# Allegro board 8880F5-0825_4.brd (continued)
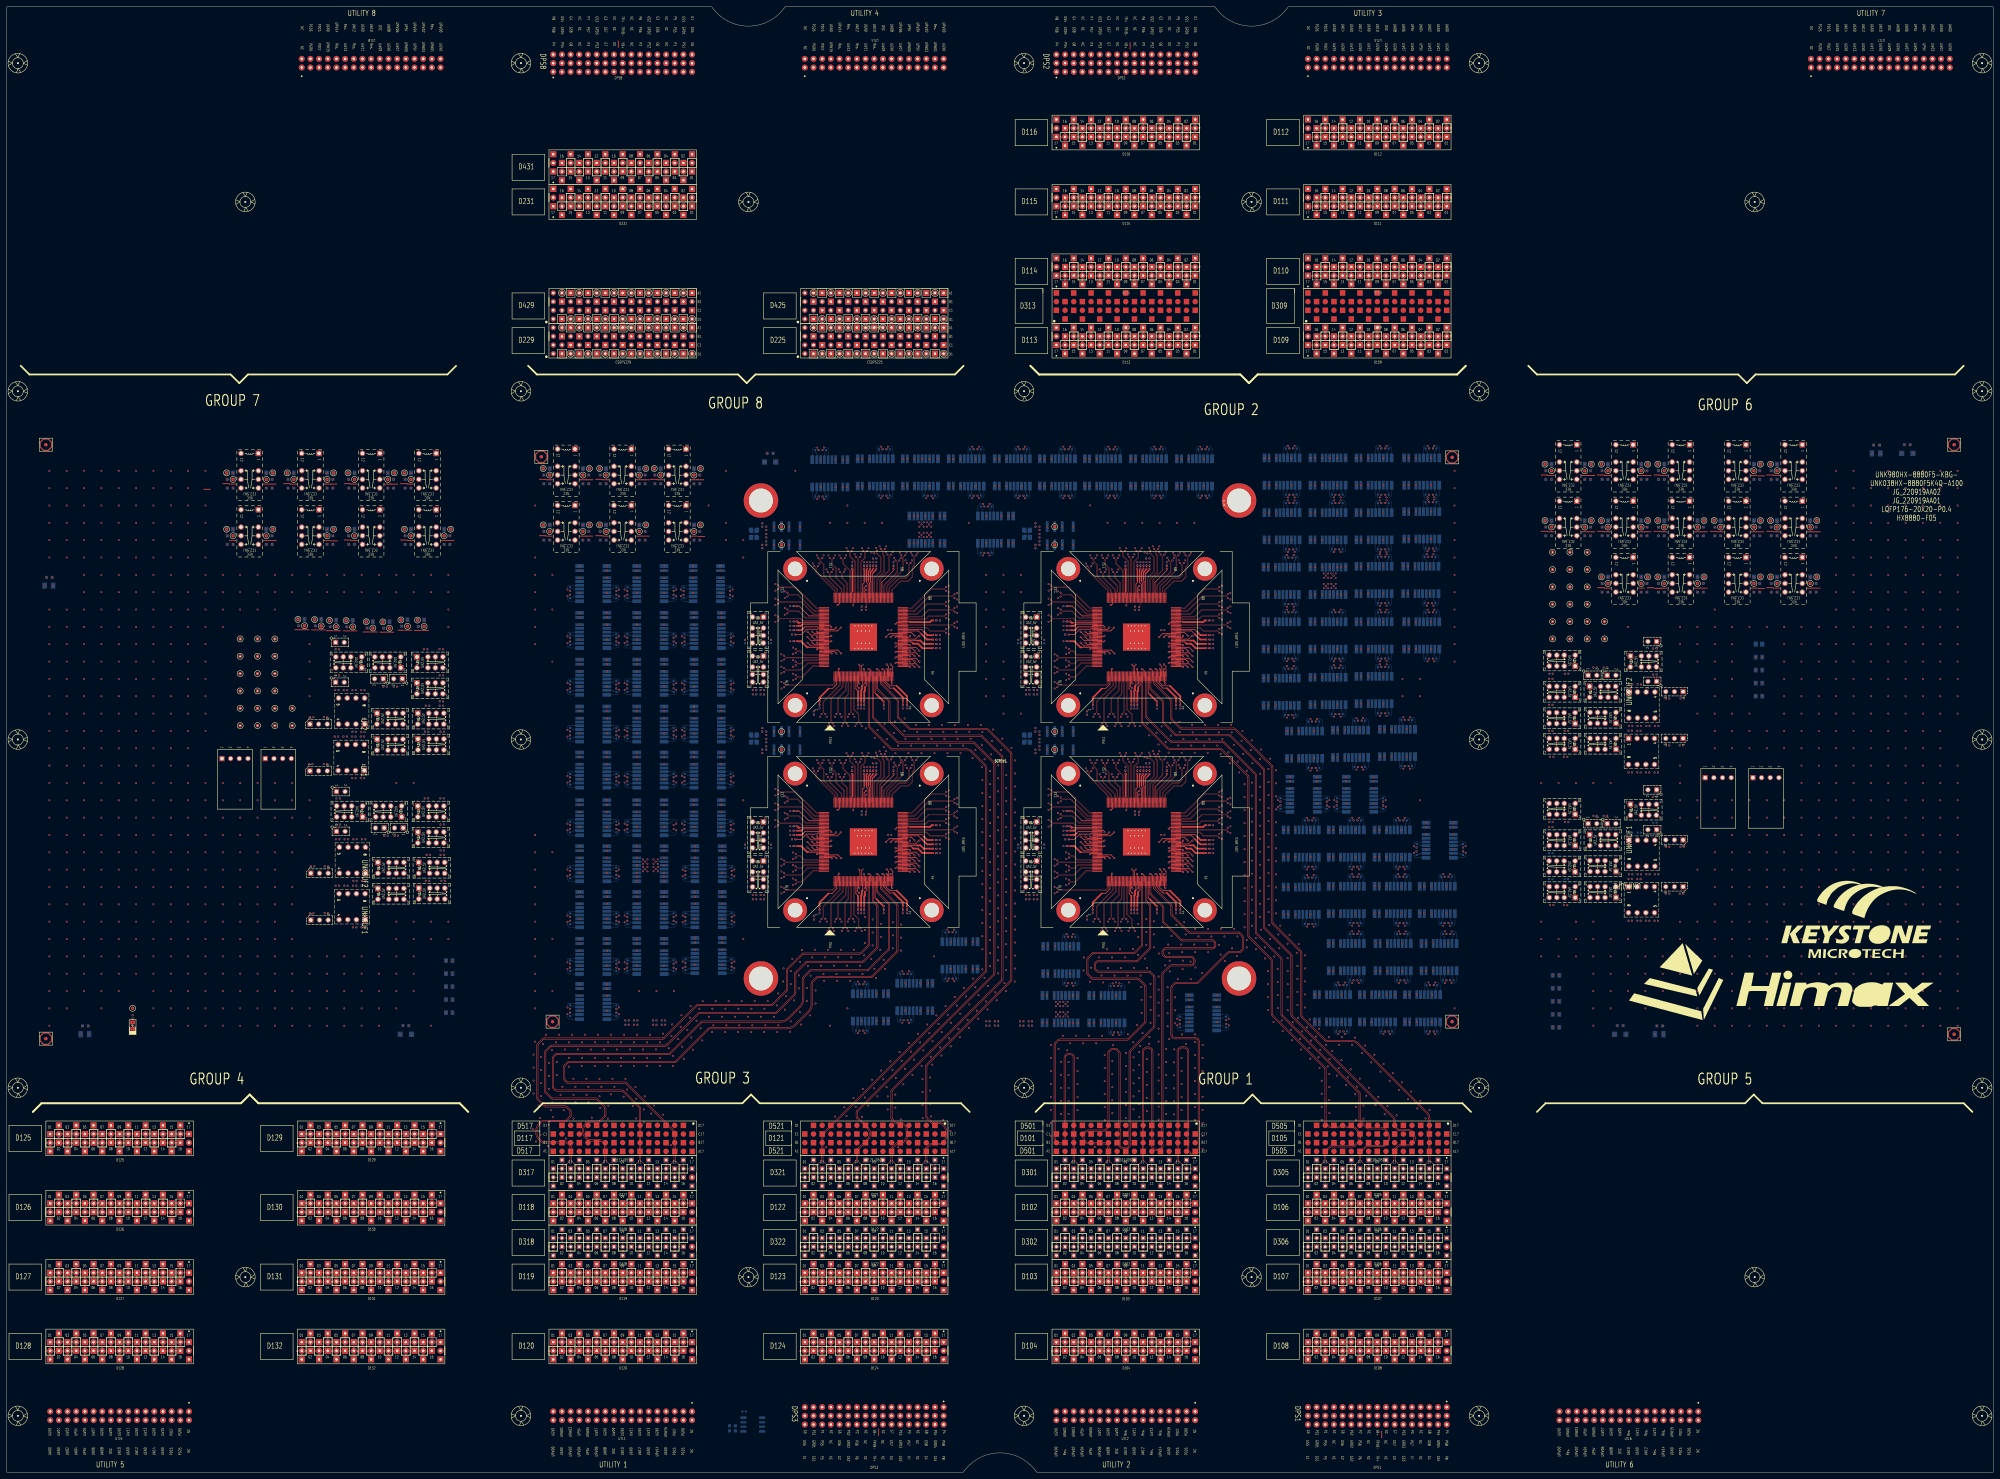
[diagram p0: board, top side]
## Routing (per net, layer and track width the routed paths; a pad name or vN(x,y) marks a point on that pad's centre or on a via; arc(x,y) is an arc through that point) (continued)
 259.08,38.91 ; 83.31,208.1 S3_I2C.4 ; S3_I2C.4 83.31,209.98 ; S3_I2C.4 82.37,209.04 ; S3_I2C.4 84.25,209.04 ; 198.12,367.49 D231.B2 ; D231.B2 198.12,369.11 ; D231.B2 198.93,368.3 ; D231.B2 197.31,368.3 ; 332.74,72.85 D102.A11 ; D102.A11 332.74,74.47 ; D102.A11 333.55,73.66 ; D102.A11 331.93,73.66 ; D106.A15 416.56,74.47 ; D106.A15 415.75,73.66 ; D106.A15 417.37,73.66 ; D106.A15 416.56,72.85 ; D112.A5 412.29,396.24 ; D112.A5 411.48,395.43 ; D112.A5 410.67,396.24 ; D112.A5 411.48,397.05 ; 245.57,55.88 D123.A6 ; D123.A6 246.38,55.07 ; D123.A6 246.38,56.69 ; D123.A6 247.19,55.88 ; CSDPS225.C13 243.84,331.01 ; CSDPS225.C13 243.03,330.2 ; CSDPS225.C13 243.84,329.39 ; CSDPS225.C13 244.65,330.2 ; D112.A9 401.32,397.05 ; D112.A9 401.32,395.43 ; D112.A9 400.51,396.24 ; D112.A9 402.13,396.24 ; 177.8,70.41 D318.B8 ; D318.B8 177.8,71.83 ; D318.B8 177.09,71.12 ; D318.B8 178.51,71.12 ; 408.13,388.62 D112.B6 ; D112.B6 408.94,389.43 ; D112.B6 408.94,387.81 ; D112.B6 409.75,388.62 ; D109.B7 407.21,330.2 ; D109.B7 406.4,329.39 ; D109.B7 405.59,330.2 ; D109.B7 406.4,331.01 ; D107.B6 394.51,60.96 ; D107.B6 393.7,60.15 ; D107.B6 393.7,61.77 ; D107.B6 392.89,60.96 ; 383.54,65.33 D306.A2 ; D306.A2 382.83,66.04 ; D306.A2 383.54,66.75 ; D306.A2 384.25,66.04 ; D107.B5 391.16,59.23 ; D107.B5 391.97,58.42 ; D107.B5 390.35,58.42 ; D107.B5 391.16,57.61 ; D130.B13 116.84,79.55 ; D130.B13 116.03,78.74 ; D130.B13 116.84,77.93 ; D130.B13 117.65,78.74 ; 414.02,75.39 D106.A14 ; D106.A14 413.21,76.2 ; D106.A14 414.02,77.01 ; D106.A14 414.83,76.2 ; D115.B5 338.63,370.84 ; D115.B5 337.82,371.65 ; D115.B5 337.82,370.03 ; D115.B5 337.01,370.84 ; D109.A8 404.67,332.74 ; D109.A8 403.86,331.93 ; D109.A8 403.86,333.55 ; D109.A8 403.05,332.74 ; D302.B13 337.82,69.29 ; D302.B13 337.82,67.87 ; D302.B13 337.11,68.58 ; D302.B13 338.53,68.58 ; D118.B4 168.45,81.28 ; D118.B4 167.64,80.47 ; D118.B4 166.83,81.28 ; D118.B4 167.64,82.09 ; 27.13,78.74 D126.B7 ; D126.B7 27.94,77.93 ; D126.B7 28.75,78.74 ; D126.B7 27.94,79.55 ; 29.67,96.52 D125.A8 ; D125.A8 31.29,96.52 ; D125.A8 30.48,95.71 ; D125.A8 30.48,97.33 ; 401.32,62.79 D306.A9 ; D306.A9 402.03,63.5 ; D306.A9 400.61,63.5 ; D306.A9 401.32,64.21 ; 396.24,354.79 D110.A11 ; D110.A11 395.43,355.6 ; D110.A11 397.05,355.6 ; D110.A11 396.24,356.41 ; D112.B7 406.4,391.97 ; D112.B7 406.4,390.35 ; D112.B7 405.59,391.16 ; D112.B7 407.21,391.16 ; SITE1.G5 252.33,241.81 ; SITE1.G5 251.85,241.33 ; SITE1.G5 252.81,241.33 ; SITE1.G5 252.33,240.85 ; 255.73,60.96 D123.B10 ; D123.B10 256.54,60.15 ; D123.B10 256.54,61.77 ; D123.B10 257.35,60.96 ; SITE2.G7 328.81,247.93 ; SITE2.G7 328.33,248.41 ; SITE2.G7 328.33,247.45 ; SITE2.G7 327.85,247.93 ; D109.A3 416.56,336.09 ; D109.A3 416.56,334.47 ; D109.A3 415.75,335.28 ; D109.A3 417.37,335.28 ; 177.09,86.36 D317.A8 ; D317.A8 177.8,87.07 ; D317.A8 177.8,85.65 ; D317.A8 178.51,86.36 ; 250.75,91.44 D321.B8 ; D321.B8 252.17,91.44 ; D321.B8 251.46,92.15 ; D321.B8 251.46,90.73 ; D431.B17 160.02,381.81 ; D431.B17 159.21,381 ; D431.B17 160.83,381 ; D431.B17 160.02,380.19 ; D129.A2 89.71,96.52 ; D129.A2 88.9,95.71 ; D129.A2 88.09,96.52 ; D129.A2 88.9,97.33 ; D301.B13 338.53,88.9 ; D301.B13 337.82,88.19 ; D301.B13 337.82,89.61 ; D301.B13 337.11,88.9 ; D116.A2 346.25,393.7 ; D116.A2 345.44,394.51 ; D116.A2 345.44,392.89 ; D116.A2 344.63,393.7 ; 383.54,34.75 D108.A2 ; D108.A2 384.35,35.56 ; D108.A2 383.54,36.37 ; D108.A2 382.73,35.56 ; D111.B15 386.08,371.65 ; D111.B15 386.08,370.03 ; D111.B15 385.27,370.84 ; D111.B15 386.89,370.84 ; D431.A8 182.88,384.35 ; D431.A8 183.69,383.54 ; D431.A8 182.88,382.73 ; D431.A8 182.07,383.54 ; D321.B14 266.7,92.15 ; D321.B14 265.99,91.44 ; D321.B14 266.7,90.73 ; D321.B14 267.41,91.44 ; 50.8,34.75 D128.A16 ; D128.A16 51.61,35.56 ; D128.A16 49.99,35.56 ; D128.A16 50.8,36.37 ; 314.96,347.17 D114.B14 ; D114.B14 315.77,347.98 ; D114.B14 314.96,348.79 ; D114.B14 314.15,347.98 ; 331.43,185.95 SITE4.G19 ; SITE4.G19 331.43,186.91 ; SITE4.G19 330.95,186.43 ; SITE4.G19 331.91,186.43 ; D125.B6 26.21,101.6 ; D125.B6 25.4,102.41 ; D125.B6 24.59,101.6 ; D125.B6 25.4,100.79 ; 38.1,77.93 D126.B11 ; D126.B11 38.1,79.55 ; D126.B11 37.29,78.74 ; D126.B11 38.91,78.74 ; 182.88,34.75 D120.A10 ; D120.A10 182.88,36.37 ; D120.A10 183.69,35.56 ; D120.A10 182.07,35.56 ; D103.B13 338.63,58.42 ; D103.B13 337.82,57.61 ; D103.B13 337.01,58.42 ; D103.B13 337.82,59.23 ; D124.B15 269.24,38.91 ; D124.B15 268.43,38.1 ; D124.B15 270.05,38.1 ; D124.B15 269.24,37.29 ; 266.7,65.33 D322.A14 ; D322.A14 266.7,66.75 ; D322.A14 265.99,66.04 ; D322.A14 267.41,66.04 ; 329.39,388.62 D116.B8 ; D116.B8 330.2,389.43 ; D116.B8 330.2,387.81 ; D116.B8 331.01,388.62 ; 309.07,368.3 D115.B16 ; D115.B16 309.88,367.49 ; D115.B16 309.88,369.11 ; D115.B16 310.69,368.3 ; 309.88,70.41 D302.B2 ; D302.B2 309.17,71.12 ; D302.B2 309.88,71.83 ; D302.B2 310.59,71.12 ; 12.7,52.53 D127.A1 ; D127.A1 11.89,53.34 ; D127.A1 13.51,53.34 ; D127.A1 12.7,54.15 ; D119.B1 160.83,58.42 ; D119.B1 160.02,57.61 ; D119.B1 159.21,58.42 ; D119.B1 160.02,59.23 ; 332.74,32.21 D104.A11 ; D104.A11 331.93,33.02 ; D104.A11 333.55,33.02 ; D104.A11 332.74,33.83 ; D115.B15 312.42,371.65 ; D115.B15 312.42,370.03 ; D115.B15 311.61,370.84 ; D115.B15 313.23,370.84 ; 340.36,60.15 D103.B14 ; D103.B14 340.36,61.77 ; D103.B14 341.17,60.96 ; D103.B14 339.55,60.96 ; 248.11,78.74 D122.B7 ; D122.B7 248.92,79.55 ; D122.B7 249.73,78.74 ; D122.B7 248.92,77.93 ; 243.84,88.19 D321.B5 ; D321.B5 244.55,88.9 ; D321.B5 243.84,89.61 ; D321.B5 243.13,88.9 ; 320.04,39.83 D104.B6 ; D104.B6 320.85,40.64 ; D104.B6 320.04,41.45 ; D104.B6 319.23,40.64 ; 101.6,98.25 D129.B7 ; D129.B7 101.6,99.87 ; D129.B7 102.41,99.06 ; D129.B7 100.79,99.06 ; D318.A3 165.81,63.5 ; D318.A3 165.1,62.79 ; D318.A3 164.39,63.5 ; D318.A3 165.1,64.21 ; 271.78,342.09 CSDPS425.B2 ; CSDPS425.B2 271.78,343.71 ; CSDPS425.B2 272.59,342.9 ; CSDPS425.B2 270.97,342.9 ; D116.A13 318.31,396.24 ; D116.A13 317.5,397.05 ; D116.A13 317.5,395.43 ; D116.A13 316.69,396.24 ; D131.B7 102.41,58.42 ; D131.B7 100.79,58.42 ; D131.B7 101.6,59.23 ; D131.B7 101.6,57.61 ; SITE1.G16 253.11,242.83 ; SITE1.G16 252.63,242.35 ; SITE1.G16 252.15,242.83 ; SITE1.G16 252.63,243.31 ; 382.83,86.36 D305.A2 ; D305.A2 383.54,87.07 ; D305.A2 383.54,85.65 ; D305.A2 384.25,86.36 ; D116.B6 335.28,389.43 ; D116.B6 335.28,387.81 ; D116.B6 334.47,388.62 ; D116.B6 336.09,388.62 ; 311.71,88.9 D301.B3 ; D301.B3 312.42,89.61 ; D301.B3 313.13,88.9 ; D301.B3 312.42,88.19 ; 269.24,62.79 D322.A15 ; D322.A15 268.53,63.5 ; D322.A15 269.95,63.5 ; D322.A15 269.24,64.21 ; D321.B6 246.38,92.15 ; D321.B6 247.09,91.44 ; D321.B6 246.38,90.73 ; D321.B6 245.67,91.44 ; CSDPS229.B2 198.93,332.74 ; CSDPS229.B2 198.12,333.55 ; CSDPS229.B2 198.12,331.93 ; CSDPS229.B2 197.31,332.74 ; 119.38,60.15 D131.B14 ; D131.B14 120.19,60.96 ; D131.B14 119.38,61.77 ; D131.B14 118.57,60.96 ; D106.B4 389.43,81.28 ; D106.B4 388.62,80.47 ; D106.B4 387.81,81.28 ; D106.B4 388.62,82.09 ; SITE2.G1 328.33,241.81 ; SITE2.G1 327.85,241.33 ; SITE2.G1 328.33,240.85 ; SITE2.G1 328.81,241.33 ; 328.55,182.83 SITE4.G13 ; SITE4.G13 329.03,182.35 ; SITE4.G13 329.51,182.83 ; SITE4.G13 329.03,183.31 ; 88.09,35.56 D132.A2 ; D132.A2 89.71,35.56 ; D132.A2 88.9,36.37 ; D132.A2 88.9,34.75 ; SITE1.G10 251.33,248.41 ; SITE1.G10 251.33,247.45 ; SITE1.G10 251.81,247.93 ; SITE1.G10 250.85,247.93 ; 100.79,38.1 D132.B7 ; D132.B7 101.6,38.91 ; D132.B7 102.41,38.1 ; D132.B7 101.6,37.29 ; 327.66,375.11 D115.A9 ; D115.A9 327.66,376.73 ; D115.A9 326.85,375.92 ; D115.A9 328.47,375.92 ; D114.A7 333.55,355.6 ; D114.A7 332.74,354.79 ; D114.A7 331.93,355.6 ; D114.A7 332.74,356.41 ; D231.A16 162.56,374.19 ; D231.A16 162.56,372.57 ; D231.A16 161.75,373.38 ; D231.A16 163.37,373.38 ; D104.A9 328.47,33.02 ; D104.A9 327.66,32.21 ; D104.A9 326.85,33.02 ; D104.A9 327.66,33.83 ; D119.B16 198.12,61.77 ; D119.B16 197.31,60.96 ; D119.B16 198.12,60.15 ; D119.B16 198.93,60.96 ; D116.B5 338.63,391.16 ; D116.B5 337.01,391.16 ; D116.B5 337.82,391.97 ; D116.B5 337.82,390.35 ; 27.94,93.17 D125.A7 ; D125.A7 27.13,93.98 ; D125.A7 28.75,93.98 ; D125.A7 27.94,94.79 ; D103.B15 343.71,58.42 ; D103.B15 342.9,57.61 ; D103.B15 342.09,58.42 ; D103.B15 342.9,59.23 ; 316.79,83.82 D301.A5 ; D301.A5 317.5,83.11 ; D301.A5 318.21,83.82 ; D301.A5 317.5,84.53 ; D104.B13 338.63,38.1 ; D104.B13 337.82,38.91 ; D104.B13 337.82,37.29 ; D104.B13 337.01,38.1 ; D318.A4 168.35,66.04 ; D318.A4 167.64,66.75 ; D318.A4 166.93,66.04 ; D318.A4 167.64,65.33 ; 324.41,86.36 D301.A8 ; D301.A8 325.83,86.36 ; D301.A8 325.12,85.65 ; D301.A8 325.12,87.07 ; D109.A13 391.97,335.28 ; D109.A13 391.16,336.09 ; D109.A13 390.35,335.28 ; D109.A13 391.16,334.47 ; D122.B12 262.43,81.28 ; D122.B12 260.81,81.28 ; D122.B12 261.62,80.47 ; D122.B12 261.62,82.09 ; 237.95,33.02 D124.A3 ; D124.A3 238.76,33.83 ; D124.A3 239.57,33.02 ; D124.A3 238.76,32.21 ; 329.39,40.64 D104.B10 ; D104.B10 330.2,41.45 ; D104.B10 331.01,40.64 ; D104.B10 330.2,39.83 ; D106.A8 398.78,77.01 ; D106.A8 397.97,76.2 ; D106.A8 399.59,76.2 ; D106.A8 398.78,75.39 ; 337.01,73.66 D102.A13 ; D102.A13 337.82,74.47 ; D102.A13 337.82,72.85 ; D102.A13 338.63,73.66 ; D125.A3 17.78,94.79 ; D125.A3 18.59,93.98 ; D125.A3 16.97,93.98 ; D125.A3 17.78,93.17 ; D302.A10 330.2,66.75 ; D302.A10 329.49,66.04 ; D302.A10 330.91,66.04 ; D302.A10 330.2,65.33 ; D110.B1 421.64,351.33 ; D110.B1 420.83,350.52 ; D110.B1 422.45,350.52 ; D110.B1 421.64,349.71 ; 38.1,98.25 D125.B11 ; D125.B11 38.1,99.87 ; D125.B11 37.29,99.06 ; D125.B11 38.91,99.06 ; D125.A13 43.18,94.79 ; D125.A13 42.37,93.98 ; D125.A13 43.99,93.98 ; D125.A13 43.18,93.17 ; D118.B6 173.53,81.28 ; D118.B6 172.72,80.47 ; D118.B6 171.91,81.28 ; D118.B6 172.72,82.09 ; D120.A15 195.58,33.83 ; D120.A15 194.77,33.02 ; D120.A15 196.39,33.02 ; D120.A15 195.58,32.21 ; 91.44,77.93 D130.B3 ; D130.B3 91.44,79.55 ; D130.B3 92.25,78.74 ; D130.B3 90.63,78.74 ; 403.05,55.88 D107.A10 ; D107.A10 403.86,56.69 ; D107.A10 403.86,55.07 ; D107.A10 404.67,55.88 ; 321.77,73.66 D102.A7 ; D102.A7 322.58,72.85 ; D102.A7 323.39,73.66 ; D102.A7 322.58,74.47 ; D302.B7 323.29,68.58 ; D302.B7 322.58,67.87 ; D302.B7 322.58,69.29 ; D302.B7 321.87,68.58 ; D125.B8 31.29,101.6 ; D125.B8 30.48,100.79 ; D125.B8 30.48,102.41 ; D125.B8 29.67,101.6 ; 184.61,53.34 D119.A11 ; D119.A11 185.42,52.53 ; D119.A11 185.42,54.15 ; D119.A11 186.23,53.34 ; CSDPS225.C9 254,331.01 ; CSDPS225.C9 253.19,330.2 ; CSDPS225.C9 254.81,330.2 ; CSDPS225.C9 254,329.39 ; D318.B15 195.58,69.29 ; D318.B15 194.87,68.58 ; D318.B15 195.58,67.87 ; D318.B15 196.29,68.58 ; 200.66,414.48 DPS8.A01 ; DPS8.A01 199.85,415.29 ; DPS8.A01 200.66,416.1 ; DPS8.A01 201.47,415.29 ; 269.24,32.21 D124.A15 ; D124.A15 269.24,33.83 ; D124.A15 268.43,33.02 ; D124.A15 270.05,33.02 ; 421.64,375.11 D111.A1 ; D111.A1 421.64,376.73 ; D111.A1 422.45,375.92 ; D111.A1 420.83,375.92 ; 249.75,186.43 SITE3.G18 ; SITE3.G18 250.71,186.43 ; SITE3.G18 250.23,185.95 ; SITE3.G18 250.23,186.91 ; D112.A8 404.67,393.7 ; D112.A8 403.05,393.7 ; D112.A8 403.86,392.89 ; D112.A8 403.86,394.51 ; D112.A13 391.97,396.24 ; D112.A13 391.16,397.05 ; D112.A13 390.35,396.24 ; D112.A13 391.16,395.43 ; 35.56,80.47 D126.B10 ; D126.B10 35.56,82.09 ; D126.B10 34.75,81.28 ; D126.B10 36.37,81.28 ; D128.A5 22.86,33.83 ; D128.A5 23.67,33.02 ; D128.A5 22.86,32.21 ; D128.A5 22.05,33.02 ; D129.A9 106.68,94.79 ; D129.A9 107.49,93.98 ; D129.A9 105.87,93.98 ; D129.A9 106.68,93.17 ; 312.42,83.11 D301.A3 ; D301.A3 312.42,84.53 ; D301.A3 311.71,83.82 ; D301.A3 313.13,83.82 ; D305.B10 403.86,92.15 ; D305.B10 403.86,90.73 ; D305.B10 404.57,91.44 ; D305.B10 403.15,91.44 ; D104.A14 340.36,36.37 ; D104.A14 339.55,35.56 ; D104.A14 341.17,35.56 ; D104.A14 340.36,34.75 ; 340.36,90.73 D301.B14 ; D301.B14 340.36,92.15 ; D301.B14 339.65,91.44 ; D301.B14 341.07,91.44 ; 99.06,75.39 D130.A6 ; D130.A6 99.87,76.2 ; D130.A6 98.25,76.2 ; D130.A6 99.06,77.01 ; 309.07,373.38 D115.A16 ; D115.A16 310.69,373.38 ; D115.A16 309.88,372.57 ; D115.A16 309.88,374.19 ; CSDPS229.C7 185.42,331.01 ; CSDPS229.C7 185.42,329.39 ; CSDPS229.C7 186.23,330.2 ; CSDPS229.C7 184.61,330.2 ; D118.B3 165.1,79.55 ; D118.B3 164.29,78.74 ; D118.B3 165.91,78.74 ; D118.B3 165.1,77.93 ; D122.A11 259.08,74.47 ; D122.A11 259.08,72.85 ; D122.A11 259.89,73.66 ; D122.A11 258.27,73.66 ; 190.5,380.19 D431.B5 ; D431.B5 191.31,381 ; D431.B5 190.5,381.81 ; D431.B5 189.69,381 ; 393.7,80.47 D106.B6 ; D106.B6 393.7,82.09 ; D106.B6 394.51,81.28 ; D106.B6 392.89,81.28 ; 20.32,80.47 D126.B4 ; D126.B4 19.51,81.28 ; D126.B4 21.13,81.28 ; D126.B4 20.32,82.09 ; U1.4 97.04,206.48 ; U1.4 97.98,205.54 ; U1.4 96.1,205.54 ; U1.4 97.04,204.6 ; 324.31,373.38 D115.A10 ; D115.A10 325.12,372.57 ; D115.A10 325.12,374.19 ; D115.A10 325.93,373.38 ; D302.A6 320.75,66.04 ; D302.A6 319.33,66.04 ; D302.A6 320.04,65.33 ; D302.A6 320.04,66.75 ; D123.A3 238.76,54.15 ; D123.A3 238.76,52.53 ; D123.A3 237.95,53.34 ; D123.A3 239.57,53.34 ; D301.A10 330.2,87.07 ; D301.A10 330.91,86.36 ; D301.A10 330.2,85.65 ; D301.A10 329.49,86.36 ; D120.B11 186.23,38.1 ; D120.B11 185.42,37.29 ; D120.B11 185.42,38.91 ; D120.B11 184.61,38.1 ; DPS1.A11 407.21,13.97 ; DPS1.A11 405.59,13.97 ; DPS1.A11 406.4,14.78 ; DPS1.A11 406.4,13.16 ; D113.B1 348.79,330.2 ; D113.B1 347.98,331.01 ; D113.B1 347.17,330.2 ; D113.B1 347.98,329.39 ; D112.A3 417.37,396.24 ; D112.A3 416.56,397.05 ; D112.A3 415.75,396.24 ; D112.A3 416.56,395.43 ; D127.A3 17.78,54.15 ; D127.A3 17.78,52.53 ; D127.A3 16.97,53.34 ; D127.A3 18.59,53.34 ; D131.A10 109.22,56.69 ; D131.A10 108.41,55.88 ; D131.A10 110.03,55.88 ; D131.A10 109.22,55.07 ; D112.B3 417.37,391.16 ; D112.B3 416.56,391.97 ; D112.B3 415.75,391.16 ; D112.B3 416.56,390.35 ; 344.63,388.62 D116.B2 ; D116.B2 345.44,387.81 ; D116.B2 345.44,389.43 ; D116.B2 346.25,388.62 ; 30.48,60.15 D127.B8 ; D127.B8 29.67,60.96 ; D127.B8 30.48,61.77 ; D127.B8 31.29,60.96 ; D322.A11 259.79,63.5 ; D322.A11 259.08,64.21 ; D322.A11 259.08,62.79 ; D322.A11 258.37,63.5 ; 418.29,332.74 D109.A2 ; D109.A2 419.91,332.74 ; D109.A2 419.1,333.55 ; D109.A2 419.1,331.93 ; 194.77,381 D431.B3 ; D431.B3 195.58,381.81 ; D431.B3 195.58,380.19 ; D431.B3 196.39,381 ; D128.A4 20.32,36.37 ; D128.A4 21.13,35.56 ; D128.A4 19.51,35.56 ; D128.A4 20.32,34.75 ; 251.46,60.15 D123.B8 ; D123.B8 250.65,60.96 ; D123.B8 252.27,60.96 ; D123.B8 251.46,61.77 ; 265.89,76.2 D122.A14 ; D122.A14 266.7,75.39 ; D122.A14 267.51,76.2 ; D122.A14 266.7,77.01 ; 119.38,100.79 D129.B14 ; D129.B14 119.38,102.41 ; D129.B14 118.57,101.6 ; D129.B14 120.19,101.6 ; 332.63,245.95 SITE2.G20 ; SITE2.G20 333.11,246.43 ; SITE2.G20 332.15,246.43 ; SITE2.G20 332.63,246.91 ; D113.B14 314.96,328.47 ; D113.B14 314.96,326.85 ; D113.B14 315.77,327.66 ; D113.B14 314.15,327.66 ; D122.B2 237.03,81.28 ; D122.B2 236.22,80.47 ; D122.B2 235.41,81.28 ; D122.B2 236.22,82.09 ; D120.A11 186.23,33.02 ; D120.A11 185.42,32.21 ; D120.A11 184.61,33.02 ; D120.A11 185.42,33.83 ; 250.65,55.88 D123.A8 ; D123.A8 252.27,55.88 ; D123.A8 251.46,55.07 ; D123.A8 251.46,56.69 ; 325.12,39.83 D104.B8 ; D104.B8 325.12,41.45 ; D104.B8 325.93,40.64 ; D104.B8 324.31,40.64 ; 382.73,368.3 D111.B16 ; D111.B16 383.54,369.11 ; D111.B16 383.54,367.49 ; D111.B16 384.35,368.3 ; SITE2.G14 330.71,242.83 ; SITE2.G14 330.23,242.35 ; SITE2.G14 330.23,243.31 ; SITE2.G14 329.75,242.83 ; S2_I2C.4 504.95,204.39 ; S2_I2C.4 504.95,202.51 ; S2_I2C.4 504.01,203.45 ; S2_I2C.4 505.89,203.45 ; D113.A14 315.77,332.74 ; D113.A14 314.15,332.74 ; D113.A14 314.96,331.93 ; D113.A14 314.96,333.55 ; D106.A11 407.21,73.66 ; D106.A11 406.4,74.47 ; D106.A11 406.4,72.85 ; D106.A11 405.59,73.66 ; 35.56,34.75 D128.A10 ; D128.A10 34.75,35.56 ; D128.A10 35.56,36.37 ; D128.A10 36.37,35.56 ; D321.A7 248.92,84.53 ; D321.A7 248.92,83.11 ; D321.A7 249.63,83.82 ; D321.A7 248.21,83.82 ; 167.64,342.09 CSDPS429.B14 ; CSDPS429.B14 167.64,343.71 ; CSDPS429.B14 166.83,342.9 ; CSDPS429.B14 168.45,342.9 ; D103.A4 314.96,56.69 ; D103.A4 315.77,55.88 ; D103.A4 314.96,55.07 ; D103.A4 314.15,55.88 ; D103.A1 307.34,54.15 ; D103.A1 308.15,53.34 ; D103.A1 307.34,52.53 ; D103.A1 306.53,53.34 ; 347.98,354.79 D114.A1 ; D114.A1 348.79,355.6 ; D114.A1 347.98,356.41 ; D114.A1 347.17,355.6 ; D118.B5 170.18,79.55 ; D118.B5 170.18,77.93 ; D118.B5 169.37,78.74 ; D118.B5 170.99,78.74 ; 247.85,247.93 SITE1.G7 ; SITE1.G7 248.81,247.93 ; SITE1.G7 248.33,247.45 ; SITE1.G7 248.33,248.41 ; 421.64,390.35 D112.B1 ; D112.B1 421.64,391.97 ; D112.B1 422.45,391.16 ; D112.B1 420.83,391.16 ; 385.27,33.02 D108.A3 ; D108.A3 386.89,33.02 ; D108.A3 386.08,32.21 ; D108.A3 386.08,33.83 ; 43.18,77.93 D126.B13 ; D126.B13 42.37,78.74 ; D126.B13 43.99,78.74 ; D126.B13 43.18,79.55 ; 175.26,385.27 D431.A11 ; D431.A11 175.26,386.89 ; D431.A11 176.07,386.08 ; D431.A11 174.45,386.08 ; D318.B6 173.43,71.12 ; D318.B6 172.72,71.83 ; D318.B6 172.72,70.41 ; D318.B6 172.01,71.12 ; D118.B11 185.42,79.55 ; D118.B11 184.61,78.74 ; D118.B11 186.23,78.74 ; D118.B11 185.42,77.93 ; 391.16,62.79 D306.A5 ; D306.A5 390.45,63.5 ; D306.A5 391.87,63.5 ; D306.A5 391.16,64.21 ; D113.A2 346.25,332.74 ; D113.A2 345.44,333.55 ; D113.A2 345.44,331.93 ; D113.A2 344.63,332.74 ; 104.14,34.75 D132.A8 ; D132.A8 103.33,35.56 ; D132.A8 104.95,35.56 ; D132.A8 104.14,36.37 ; 263.35,33.02 D124.A13 ; D124.A13 264.16,33.83 ; D124.A13 264.97,33.02 ; D124.A13 264.16,32.21 ; 403.86,347.17 D110.B8 ; D110.B8 404.67,347.98 ; D110.B8 403.86,348.79 ; D110.B8 403.05,347.98 ; 392.89,332.74 D109.A12 ; D109.A12 393.7,331.93 ; D109.A12 393.7,333.55 ; D109.A12 394.51,332.74 ; 180.34,329.39 CSDPS229.C9 ; CSDPS229.C9 180.34,331.01 ; CSDPS229.C9 181.15,330.2 ; CSDPS229.C9 179.53,330.2 ; D127.B13 43.18,59.23 ; D127.B13 43.99,58.42 ; D127.B13 43.18,57.61 ; D127.B13 42.37,58.42 ; 332.74,62.79 D302.A11 ; D302.A11 333.45,63.5 ; D302.A11 332.74,64.21 ; D302.A11 332.03,63.5 ; CSDPS425.C13 244.65,340.36 ; CSDPS425.C13 243.03,340.36 ; CSDPS425.C13 243.84,341.17 ; CSDPS425.C13 243.84,339.55 ; 179.63,68.58 D318.B9 ; D318.B9 180.34,69.29 ; D318.B9 180.34,67.87 ; D318.B9 181.05,68.58 ; 408.94,352.25 D110.A6 ; D110.A6 408.13,353.06 ; D110.A6 408.94,353.87 ; D110.A6 409.75,353.06 ; 88.9,75.39 D130.A2 ; D130.A2 89.71,76.2 ; D130.A2 88.9,77.01 ; D130.A2 88.09,76.2 ; D107.A4 388.62,56.69 ; D107.A4 389.43,55.88 ; D107.A4 388.62,55.07 ; D107.A4 387.81,55.88 ; SITE2.G6 333.33,241.81 ; SITE2.G6 332.85,241.33 ; SITE2.G6 333.81,241.33 ; SITE2.G6 333.33,240.85 ; D126.B2 15.24,82.09 ; D126.B2 14.43,81.28 ; D126.B2 15.24,80.47 ; D126.B2 16.05,81.28 ; D318.B10 182.88,71.83 ; D318.B10 182.17,71.12 ; D318.B10 182.88,70.41 ; D318.B10 183.59,71.12 ; D104.A15 343.71,33.02 ; D104.A15 342.9,32.21 ; D104.A15 342.09,33.02 ; D104.A15 342.9,33.83 ; D114.A15 313.23,355.6 ; D114.A15 312.42,354.79 ; D114.A15 311.61,355.6 ; D114.A15 312.42,356.41 ; 266.7,60.15 D123.B14 ; D123.B14 265.89,60.96 ; D123.B14 266.7,61.77 ; D123.B14 267.51,60.96 ; D125.A12 40.64,97.33 ; D125.A12 39.83,96.52 ; D125.A12 41.45,96.52 ; D125.A12 40.64,95.71 ; 190.5,57.61 D119.B13 ; D119.B13 189.69,58.42 ; D119.B13 190.5,59.23 ; D119.B13 191.31,58.42 ; DPS1.A15 416.56,14.78 ; DPS1.A15 415.75,13.97 ; DPS1.A15 416.56,13.16 ; DPS1.A15 417.37,13.97 ; D129.A6 99.87,96.52 ; D129.A6 99.06,97.33 ; D129.A6 99.06,95.71 ; D129.A6 98.25,96.52 ; D108.A15 417.37,33.02 ; D108.A15 416.56,32.21 ; D108.A15 415.75,33.02 ; D108.A15 416.56,33.83 ; D119.B5 170.99,58.42 ; D119.B5 170.18,59.23 ; D119.B5 170.18,57.61 ; D119.B5 169.37,58.42 ; 33.02,57.61 D127.B9 ; D127.B9 33.02,59.23 ; D127.B9 33.83,58.42 ; D127.B9 32.21,58.42 ; 187.96,90.73 D317.B12 ; D317.B12 187.96,92.15 ; D317.B12 188.67,91.44 ; D317.B12 187.25,91.44 ; D118.A11 186.23,73.66 ; D118.A11 185.42,74.47 ; D118.A11 185.42,72.85 ; D118.A11 184.61,73.66 ; D126.A2 16.05,76.2 ; D126.A2 15.24,77.01 ; D126.A2 14.43,76.2 ; D126.A2 15.24,75.39 ; 329.39,327.66 D113.B8 ; D113.B8 330.2,328.47 ; D113.B8 331.01,327.66 ; D113.B8 330.2,326.85 ; 250.23,182.35 SITE3.G14 ; SITE3.G14 250.71,182.83 ; SITE3.G14 249.75,182.83 ; SITE3.G14 250.23,183.31 ; SITE2.G4 331.81,241.33 ; SITE2.G4 331.33,240.85 ; SITE2.G4 331.33,241.81 ; SITE2.G4 330.85,241.33 ; 86.36,77.93 D130.B1 ; D130.B1 85.55,78.74 ; D130.B1 87.17,78.74 ; D130.B1 86.36,79.55 ; 392.89,76.2 D106.A6 ; D106.A6 394.51,76.2 ; D106.A6 393.7,77.01 ; D106.A6 393.7,75.39 ; 47.45,99.06 D125.B15 ; D125.B15 48.26,99.87 ; D125.B15 49.07,99.06 ; D125.B15 48.26,98.25 ; 240.49,35.56 D124.A4 ; D124.A4 241.3,34.75 ; D124.A4 241.3,36.37 ; D124.A4 242.11,35.56 ; 320.04,75.39 D102.A6 ; D102.A6 320.85,76.2 ; D102.A6 319.23,76.2 ; D102.A6 320.04,77.01 ; SITE4.G15 331.43,183.31 ; SITE4.G15 330.95,182.83 ; SITE4.G15 331.91,182.83 ; SITE4.G15 331.43,182.35 ; D431.A12 172.72,384.35 ; D431.A12 173.53,383.54 ; D431.A12 171.91,383.54 ; D431.A12 172.72,382.73 ; 176.99,35.56 D120.A8 ; D120.A8 178.61,35.56 ; D120.A8 177.8,34.75 ; D120.A8 177.8,36.37 ; 232.87,53.34 D123.A1 ; D123.A1 233.68,54.15 ; D123.A1 233.68,52.53 ; D123.A1 234.49,53.34 ; SITE1.G11 252.81,247.93 ; SITE1.G11 252.33,247.45 ; SITE1.G11 251.85,247.93 ; SITE1.G11 252.33,248.41 ; 398.78,34.75 D108.A8 ; D108.A8 398.78,36.37 ; D108.A8 397.97,35.56 ; D108.A8 399.59,35.56 ; 258.37,88.9 D321.B11 ; D321.B11 259.08,88.19 ; D321.B11 259.79,88.9 ; D321.B11 259.08,89.61 ; 47.45,38.1 D128.B15 ; D128.B15 49.07,38.1 ; D128.B15 48.26,38.91 ; D128.B15 48.26,37.29 ; 179.53,58.42 D119.B9 ; D119.B9 180.34,57.61 ; D119.B9 180.34,59.23 ; D119.B9 181.15,58.42 ; D322.A2 236.22,66.75 ; D322.A2 236.93,66.04 ; D322.A2 235.51,66.04 ; D322.A2 236.22,65.33 ; 43.18,98.25 D125.B13 ; D125.B13 43.99,99.06 ; D125.B13 42.37,99.06 ; D125.B13 43.18,99.87 ; 165.1,370.03 D231.B15 ; D231.B15 165.91,370.84 ; D231.B15 164.29,370.84 ; D231.B15 165.1,371.65 ; 314.15,35.56 D104.A4 ; D104.A4 314.96,36.37 ; D104.A4 315.77,35.56 ; D104.A4 314.96,34.75 ; D120.B9 181.15,38.1 ; D120.B9 180.34,37.29 ; D120.B9 179.53,38.1 ; D120.B9 180.34,38.91 ; D104.B2 309.88,41.45 ; D104.B2 309.88,39.83 ; D104.B2 309.07,40.64 ; D104.B2 310.69,40.64 ; 248.21,68.58 D322.B7 ; D322.B7 249.63,68.58 ; D322.B7 248.92,67.87 ; D322.B7 248.92,69.29 ; D104.B12 336.09,40.64 ; D104.B12 335.28,41.45 ; D104.B12 335.28,39.83 ; D104.B12 334.47,40.64 ; 182.88,55.07 D119.A10 ; D119.A10 182.07,55.88 ; D119.A10 182.88,56.69 ; D119.A10 183.69,55.88 ; 189.69,38.1 D120.B13 ; D120.B13 191.31,38.1 ; D120.B13 190.5,37.29 ; D120.B13 190.5,38.91 ; D305.A15 416.56,84.53 ; D305.A15 417.27,83.82 ; D305.A15 415.85,83.82 ; D305.A15 416.56,83.11 ; 121.92,52.53 D131.A15 ; D131.A15 121.92,54.15 ; D131.A15 122.73,53.34 ; D131.A15 121.11,53.34 ; SITE2.G18 330.23,246.91 ; SITE2.G18 329.75,246.43 ; SITE2.G18 330.71,246.43 ; SITE2.G18 330.23,245.95 ; D322.B12 262.33,71.12 ; D322.B12 260.91,71.12 ; D322.B12 261.62,71.83 ; D322.B12 261.62,70.41 ; D108.B5 391.16,38.91 ; D108.B5 391.16,37.29 ; D108.B5 391.97,38.1 ; D108.B5 390.35,38.1 ; D122.B15 270.05,78.74 ; D122.B15 268.43,78.74 ; D122.B15 269.24,79.55 ; D122.B15 269.24,77.93 ; D102.A1 307.34,74.47 ; D102.A1 307.34,72.85 ; D102.A1 308.15,73.66 ; D102.A1 306.53,73.66 ; D431.A6 187.96,384.35 ; D431.A6 187.96,382.73 ; D431.A6 188.77,383.54 ; D431.A6 187.15,383.54 ; D107.B2 384.35,60.96 ; D107.B2 383.54,60.15 ; D107.B2 382.73,60.96 ; D107.B2 383.54,61.77 ; 332.74,67.87 D302.B11 ; D302.B11 332.03,68.58 ; D302.B11 333.45,68.58 ; D302.B11 332.74,69.29 ; 47.45,73.66 D126.A15 ; D126.A15 49.07,73.66 ; D126.A15 48.26,72.85 ; D126.A15 48.26,74.47 ; D305.A3 386.79,83.82 ; D305.A3 386.08,83.11 ; D305.A3 386.08,84.53 ; D305.A3 385.37,83.82 ; 189.69,386.08 D431.A5 ; D431.A5 190.5,386.89 ; D431.A5 191.31,386.08 ; D431.A5 190.5,385.27 ; 187.15,55.88 D119.A12 ; D119.A12 188.77,55.88 ; D119.A12 187.96,56.69 ; D119.A12 187.96,55.07 ; D122.A5 244.65,73.66 ; D122.A5 243.84,72.85 ; D122.A5 243.03,73.66 ; D122.A5 243.84,74.47 ; 237.95,73.66 D122.A3 ; D122.A3 238.76,74.47 ; D122.A3 239.57,73.66 ; D122.A3 238.76,72.85 ; 401.32,334.47 D109.A9 ; D109.A9 400.51,335.28 ; D109.A9 401.32,336.09 ; D109.A9 402.13,335.28 ; 414.02,392.89 D112.A4 ; D112.A4 414.02,394.51 ; D112.A4 413.21,393.7 ; D112.A4 414.83,393.7 ; D102.A4 314.96,77.01 ; D102.A4 315.77,76.2 ; D102.A4 314.15,76.2 ; D102.A4 314.96,75.39 ; D231.B5 191.31,370.84 ; D231.B5 190.5,371.65 ; D231.B5 189.69,370.84 ; D231.B5 190.5,370.03 ; D113.B16 310.69,327.66 ; D113.B16 309.07,327.66 ; D113.B16 309.88,326.85 ; D113.B16 309.88,328.47 ; 335.28,392.89 D116.A6 ; D116.A6 336.09,393.7 ; D116.A6 335.28,394.51 ; D116.A6 334.47,393.7 ; 182.88,372.57 D231.A8 ; D231.A8 183.69,373.38 ; D231.A8 182.07,373.38 ; D231.A8 182.88,374.19 ; DPS1.C11 406.4,19.86 ; DPS1.C11 405.59,19.05 ; DPS1.C11 406.4,18.24 ; DPS1.C11 407.21,19.05 ; 184.71,88.9 D317.B11 ; D317.B11 186.13,88.9 ; D317.B11 185.42,89.61 ; D317.B11 185.42,88.19 ; CSDPS429.C11 175.26,341.17 ; CSDPS429.C11 174.45,340.36 ; CSDPS429.C11 175.26,339.55 ; CSDPS429.C11 176.07,340.36 ; 326.85,396.24 D116.A9 ; D116.A9 328.47,396.24 ; D116.A9 327.66,395.43 ; D116.A9 327.66,397.05 ; 190.5,375.11 D231.A5 ; D231.A5 191.31,375.92 ; D231.A5 190.5,376.73 ; D231.A5 189.69,375.92 ; 339.55,353.06 D114.A4 ; D114.A4 340.36,352.25 ; D114.A4 341.17,353.06 ; D114.A4 340.36,353.87 ; 254,67.87 D322.B9 ; D322.B9 254,69.29 ; D322.B9 254.71,68.58 ; D322.B9 253.29,68.58 ; D125.A6 26.21,96.52 ; D125.A6 25.4,97.33 ; D125.A6 25.4,95.71 ; D125.A6 24.59,96.52 ; D128.B11 38.1,38.91 ; D128.B11 38.1,37.29 ; D128.B11 38.91,38.1 ; D128.B11 37.29,38.1 ; 320.04,55.07 D103.A6 ; D103.A6 320.85,55.88 ; D103.A6 319.23,55.88 ; D103.A6 320.04,56.69 ; 100.79,33.02 D132.A7 ; D132.A7 101.6,32.21 ; D132.A7 101.6,33.83 ; D132.A7 102.41,33.02 ; D102.B13 338.63,78.74 ; D102.B13 337.01,78.74 ; D102.B13 337.82,79.55 ; D102.B13 337.82,77.93 ; D321.A4 241.3,87.07 ; D321.A4 241.3,85.65 ; D321.A4 240.59,86.36 ; D321.A4 242.01,86.36 ; 161.75,60.96 D119.B2 ; D119.B2 162.56,61.77 ; D119.B2 162.56,60.15 ; D119.B2 163.37,60.96 ; D120.A1 160.02,33.83 ; D120.A1 160.83,33.02 ; D120.A1 159.21,33.02 ; D120.A1 160.02,32.21 ; 385.27,396.24 D112.A15 ; D112.A15 386.89,396.24 ; D112.A15 386.08,395.43 ; D112.A15 386.08,397.05 ; 411.48,375.11 D111.A5 ; D111.A5 411.48,376.73 ; D111.A5 412.29,375.92 ; D111.A5 410.67,375.92 ; 414.02,70.41 D306.B14 ; D306.B14 414.73,71.12 ; D306.B14 413.31,71.12 ; D306.B14 414.02,71.83 ; 327.66,37.29 D104.B9 ; D104.B9 327.66,38.91 ; D104.B9 326.85,38.1 ; D104.B9 328.47,38.1 ; SITE4.G18 330.23,186.91 ; SITE4.G18 330.71,186.43 ; SITE4.G18 330.23,185.95 ; SITE4.G18 329.75,186.43 ; 383.54,80.47 D106.B2 ; D106.B2 382.73,81.28 ; D106.B2 384.35,81.28 ; D106.B2 383.54,82.09 ; 401.32,32.21 D108.A9 ; D108.A9 401.32,33.83 ; D108.A9 400.51,33.02 ; D108.A9 402.13,33.02 ; 254,88.19 D321.B9 ; D321.B9 254,89.61 ; D321.B9 254.71,88.9 ; D321.B9 253.29,88.9 ; 398.78,326.85 D109.B10 ; D109.B10 397.97,327.66 ; D109.B10 399.59,327.66 ; D109.B10 398.78,328.47 ; 342.9,37.29 D104.B15 ; D104.B15 342.9,38.91 ; D104.B15 343.71,38.1 ; D104.B15 342.09,38.1 ; D104.B7 323.39,38.1 ; D104.B7 322.58,37.29 ; D104.B7 322.58,38.91 ; D104.B7 321.77,38.1 ; 185.42,83.11 D317.A11 ; D317.A11 185.42,84.53 ; D317.A11 184.71,83.82 ; D317.A11 186.13,83.82 ; 403.05,327.66 D109.B8 ; D109.B8 404.67,327.66 ; D109.B8 403.86,328.47 ; D109.B8 403.86,326.85 ; D114.B10 325.93,347.98 ; D114.B10 324.31,347.98 ; D114.B10 325.12,348.79 ; D114.B10 325.12,347.17 ; 419.1,55.07 D107.A16 ; D107.A16 419.91,55.88 ; D107.A16 418.29,55.88 ; D107.A16 419.1,56.69 ; 413.21,81.28 D106.B14 ; D106.B14 414.02,82.09 ; D106.B14 414.02,80.47 ; D106.B14 414.83,81.28 ; D126.A5 22.86,74.47 ; D126.A5 22.86,72.85 ; D126.A5 23.67,73.66 ; D126.A5 22.05,73.66 ; 243.84,83.11 D321.A5 ; D321.A5 244.55,83.82 ; D321.A5 243.13,83.82 ; D321.A5 243.84,84.53 ; 236.22,331.93 CSDPS225.B16 ; CSDPS225.B16 236.22,333.55 ; CSDPS225.B16 237.03,332.74 ; CSDPS225.B16 235.41,332.74 ; 48.26,52.53 D127.A15 ; D127.A15 48.26,54.15 ; D127.A15 47.45,53.34 ; D127.A15 49.07,53.34 ; D113.B6 335.28,328.47 ; D113.B6 334.47,327.66 ; D113.B6 335.28,326.85 ; D113.B6 336.09,327.66 ; 415.75,78.74 D106.B15 ; D106.B15 416.56,79.55 ; D106.B15 417.37,78.74 ; D106.B15 416.56,77.93 ; D132.A9 106.68,33.83 ; D132.A9 105.87,33.02 ; D132.A9 106.68,32.21 ; D132.A9 107.49,33.02 ; 25.4,39.83 D128.B6 ; D128.B6 24.59,40.64 ; D128.B6 25.4,41.45 ; D128.B6 26.21,40.64 ; 103.33,101.6 D129.B8 ; D129.B8 104.14,100.79 ; D129.B8 104.95,101.6 ; D129.B8 104.14,102.41 ; 418.29,81.28 D106.B16 ; D106.B16 419.1,80.47 ; D106.B16 419.1,82.09 ; D106.B16 419.91,81.28 ; D318.B14 193.75,71.12 ; D318.B14 192.33,71.12 ; D318.B14 193.04,70.41 ; D318.B14 193.04,71.83 ; D305.A7 396.95,83.82 ; D305.A7 395.53,83.82 ; D305.A7 396.24,84.53 ; D305.A7 396.24,83.11 ; D102.A9 327.66,74.47 ; D102.A9 326.85,73.66 ; D102.A9 327.66,72.85 ; D102.A9 328.47,73.66 ; D130.B15 122.73,78.74 ; D130.B15 121.92,77.93 ; D130.B15 121.11,78.74 ; D130.B15 121.92,79.55 ; 93.98,80.47 D130.B4 ; D130.B4 94.79,81.28 ; D130.B4 93.98,82.09 ; D130.B4 93.17,81.28 ; 160.02,375.11 D231.A17 ; D231.A17 160.02,376.73 ; D231.A17 159.21,375.92 ; D231.A17 160.83,375.92 ; 320.04,90.73 D301.B6 ; D301.B6 320.75,91.44 ; D301.B6 320.04,92.15 ; D301.B6 319.33,91.44 ; D131.A8 104.95,55.88 ; D131.A8 103.33,55.88 ; D131.A8 104.14,56.69 ; D131.A8 104.14,55.07 ; D132.B15 121.92,38.91 ; D132.B15 121.92,37.29 ; D132.B15 121.11,38.1 ; D132.B15 122.73,38.1 ; SITE1.G3 250.33,241.81 ; SITE1.G3 249.85,241.33 ; SITE1.G3 250.81,241.33 ; SITE1.G3 250.33,240.85 ; 317.5,77.93 D102.B5 ; D102.B5 318.31,78.74 ; D102.B5 316.69,78.74 ; D102.B5 317.5,79.55 ; DPS2.C05 338.63,410.21 ; DPS2.C05 337.82,409.4 ; DPS2.C05 337.82,411.02 ; DPS2.C05 337.01,410.21 ; D108.B6 393.7,41.45 ; D108.B6 394.51,40.64 ; D108.B6 392.89,40.64 ; D108.B6 393.7,39.83 ; 103.33,76.2 D130.A8 ; D130.A8 104.14,75.39 ; D130.A8 104.95,76.2 ; D130.A8 104.14,77.01 ; D111.A2 419.91,373.38 ; D111.A2 419.1,374.19 ; D111.A2 419.1,372.57 ; D111.A2 418.29,373.38 ; D129.B11 112.57,99.06 ; D129.B11 110.95,99.06 ; D129.B11 111.76,99.87 ; D129.B11 111.76,98.25 ; D115.B10 325.93,368.3 ; D115.B10 325.12,367.49 ; D115.B10 325.12,369.11 ; D115.B10 324.31,368.3 ; 38.1,72.85 D126.A11 ; D126.A11 38.91,73.66 ; D126.A11 38.1,74.47 ; D126.A11 37.29,73.66 ; D302.A12 335.28,66.75 ; D302.A12 335.28,65.33 ; D302.A12 335.99,66.04 ; D302.A12 334.57,66.04 ; CSDPS429.C3 196.39,340.36 ; CSDPS429.C3 194.77,340.36 ; CSDPS429.C3 195.58,339.55 ; CSDPS429.C3 195.58,341.17 ; D431.A15 165.91,386.08 ; D431.A15 165.1,385.27 ; D431.A15 165.1,386.89 ; D431.A15 164.29,386.08 ; 124.46,75.39 D130.A16 ; D130.A16 124.46,77.01 ; D130.A16 123.65,76.2 ; D130.A16 125.27,76.2 ; 248.11,58.42 D123.B7 ; D123.B7 249.73,58.42 ; D123.B7 248.92,59.23 ; D123.B7 248.92,57.61 ; 314.96,70.41 D302.B4 ; D302.B4 314.96,71.83 ; D302.B4 314.25,71.12 ; D302.B4 315.67,71.12 ; 248.11,330.2 CSDPS225.C11 ; CSDPS225.C11 248.92,329.39 ; CSDPS225.C11 249.73,330.2 ; CSDPS225.C11 248.92,331.01 ; 11.89,38.1 D128.B1 ; D128.B1 13.51,38.1 ; D128.B1 12.7,38.91 ; D128.B1 12.7,37.29 ; D111.B14 389.43,368.3 ; D111.B14 388.62,369.11 ; D111.B14 388.62,367.49 ; D111.B14 387.81,368.3 ; 86.36,72.85 D130.A1 ; D130.A1 87.17,73.66 ; D130.A1 85.55,73.66 ; D130.A1 86.36,74.47 ; 321.77,58.42 D103.B7 ; D103.B7 323.39,58.42 ; D103.B7 322.58,57.61 ; D103.B7 322.58,59.23 ; D129.B16 124.46,102.41 ; D129.B16 124.46,100.79 ; D129.B16 123.65,101.6 ; D129.B16 125.27,101.6 ; 395.43,335.28 D109.A11 ; D109.A11 396.24,336.09 ; D109.A11 397.05,335.28 ; D109.A11 396.24,334.47 ; D106.B10 403.86,82.09 ; D106.B10 403.05,81.28 ; D106.B10 403.86,80.47 ; D106.B10 404.67,81.28 ; D120.B14 193.85,40.64 ; D120.B14 193.04,39.83 ; D120.B14 192.23,40.64 ; D120.B14 193.04,41.45 ; 342.09,335.28 D113.A3 ; D113.A3 342.9,336.09 ; D113.A3 342.9,334.47 ; D113.A3 343.71,335.28 ; D115.B3 342.9,371.65 ; D115.B3 342.09,370.84 ; D115.B3 343.71,370.84 ; D115.B3 342.9,370.03 ; D119.A15 195.58,54.15 ; D119.A15 195.58,52.53 ; D119.A15 196.39,53.34 ; D119.A15 194.77,53.34 ; 93.98,60.15 D131.B4 ; D131.B4 93.17,60.96 ; D131.B4 93.98,61.77 ; D131.B4 94.79,60.96 ; 314.15,40.64 D104.B4 ; D104.B4 315.77,40.64 ; D104.B4 314.96,41.45 ; D104.B4 314.96,39.83 ; D125.A5 22.86,94.79 ; D125.A5 23.67,93.98 ; D125.A5 22.05,93.98 ; D125.A5 22.86,93.17 ; D114.B12 320.04,348.79 ; D114.B12 320.04,347.17 ; D114.B12 320.85,347.98 ; D114.B12 319.23,347.98 ; 193.04,377.65 D431.B4 ; D431.B4 193.04,379.27 ; D431.B4 193.85,378.46 ; D431.B4 192.23,378.46 ; 44.91,81.28 D126.B14 ; D126.B14 45.72,80.47 ; D126.B14 45.72,82.09 ; D126.B14 46.53,81.28 ; D125.B1 13.51,99.06 ; D125.B1 11.89,99.06 ; D125.B1 12.7,99.87 ; D125.B1 12.7,98.25 ; 100.79,53.34 D131.A7 ; D131.A7 101.6,54.15 ; D131.A7 102.41,53.34 ; D131.A7 101.6,52.53 ; 391.16,88.19 D305.B5 ; D305.B5 390.45,88.9 ; D305.B5 391.16,89.61 ; D305.B5 391.87,88.9 ; 105.87,38.1 D132.B9 ; D132.B9 106.68,37.29 ; D132.B9 106.68,38.91 ; D132.B9 107.49,38.1 ; 332.74,370.03 D115.B7 ; D115.B7 331.93,370.84 ; D115.B7 332.74,371.65 ; D115.B7 333.55,370.84 ; 312.42,52.53 D103.A3 ; D103.A3 312.42,54.15 ; D103.A3 313.23,53.34 ; D103.A3 311.61,53.34 ; D231.B16 163.37,368.3 ; D231.B16 162.56,367.49 ; D231.B16 162.56,369.11 ; D231.B16 161.75,368.3 ; 172.72,372.57 D231.A12 ; D231.A12 171.91,373.38 ; D231.A12 173.53,373.38 ; D231.A12 172.72,374.19 ; 235.41,60.96 D123.B2 ; D123.B2 236.22,61.77 ; D123.B2 237.03,60.96 ; D123.B2 236.22,60.15 ; D118.A6 172.72,77.01 ; D118.A6 171.91,76.2 ; D118.A6 173.53,76.2 ; D118.A6 172.72,75.39 ; D132.B3 92.25,38.1 ; D132.B3 90.63,38.1 ; D132.B3 91.44,37.29 ; D132.B3 91.44,38.91 ; D129.A7 102.41,93.98 ; D129.A7 101.6,94.79 ; D129.A7 100.79,93.98 ; D129.A7 101.6,93.17 ; DPS2.A15 313.23,415.29 ; DPS2.A15 311.61,415.29 ; DPS2.A15 312.42,414.48 ; DPS2.A15 312.42,416.1 ; 395.53,68.58 D306.B7 ; D306.B7 396.24,69.29 ; D306.B7 396.24,67.87 ; D306.B7 396.95,68.58